# Altium PCB SG1.PcbDoc (part 1 of 3) (continued)
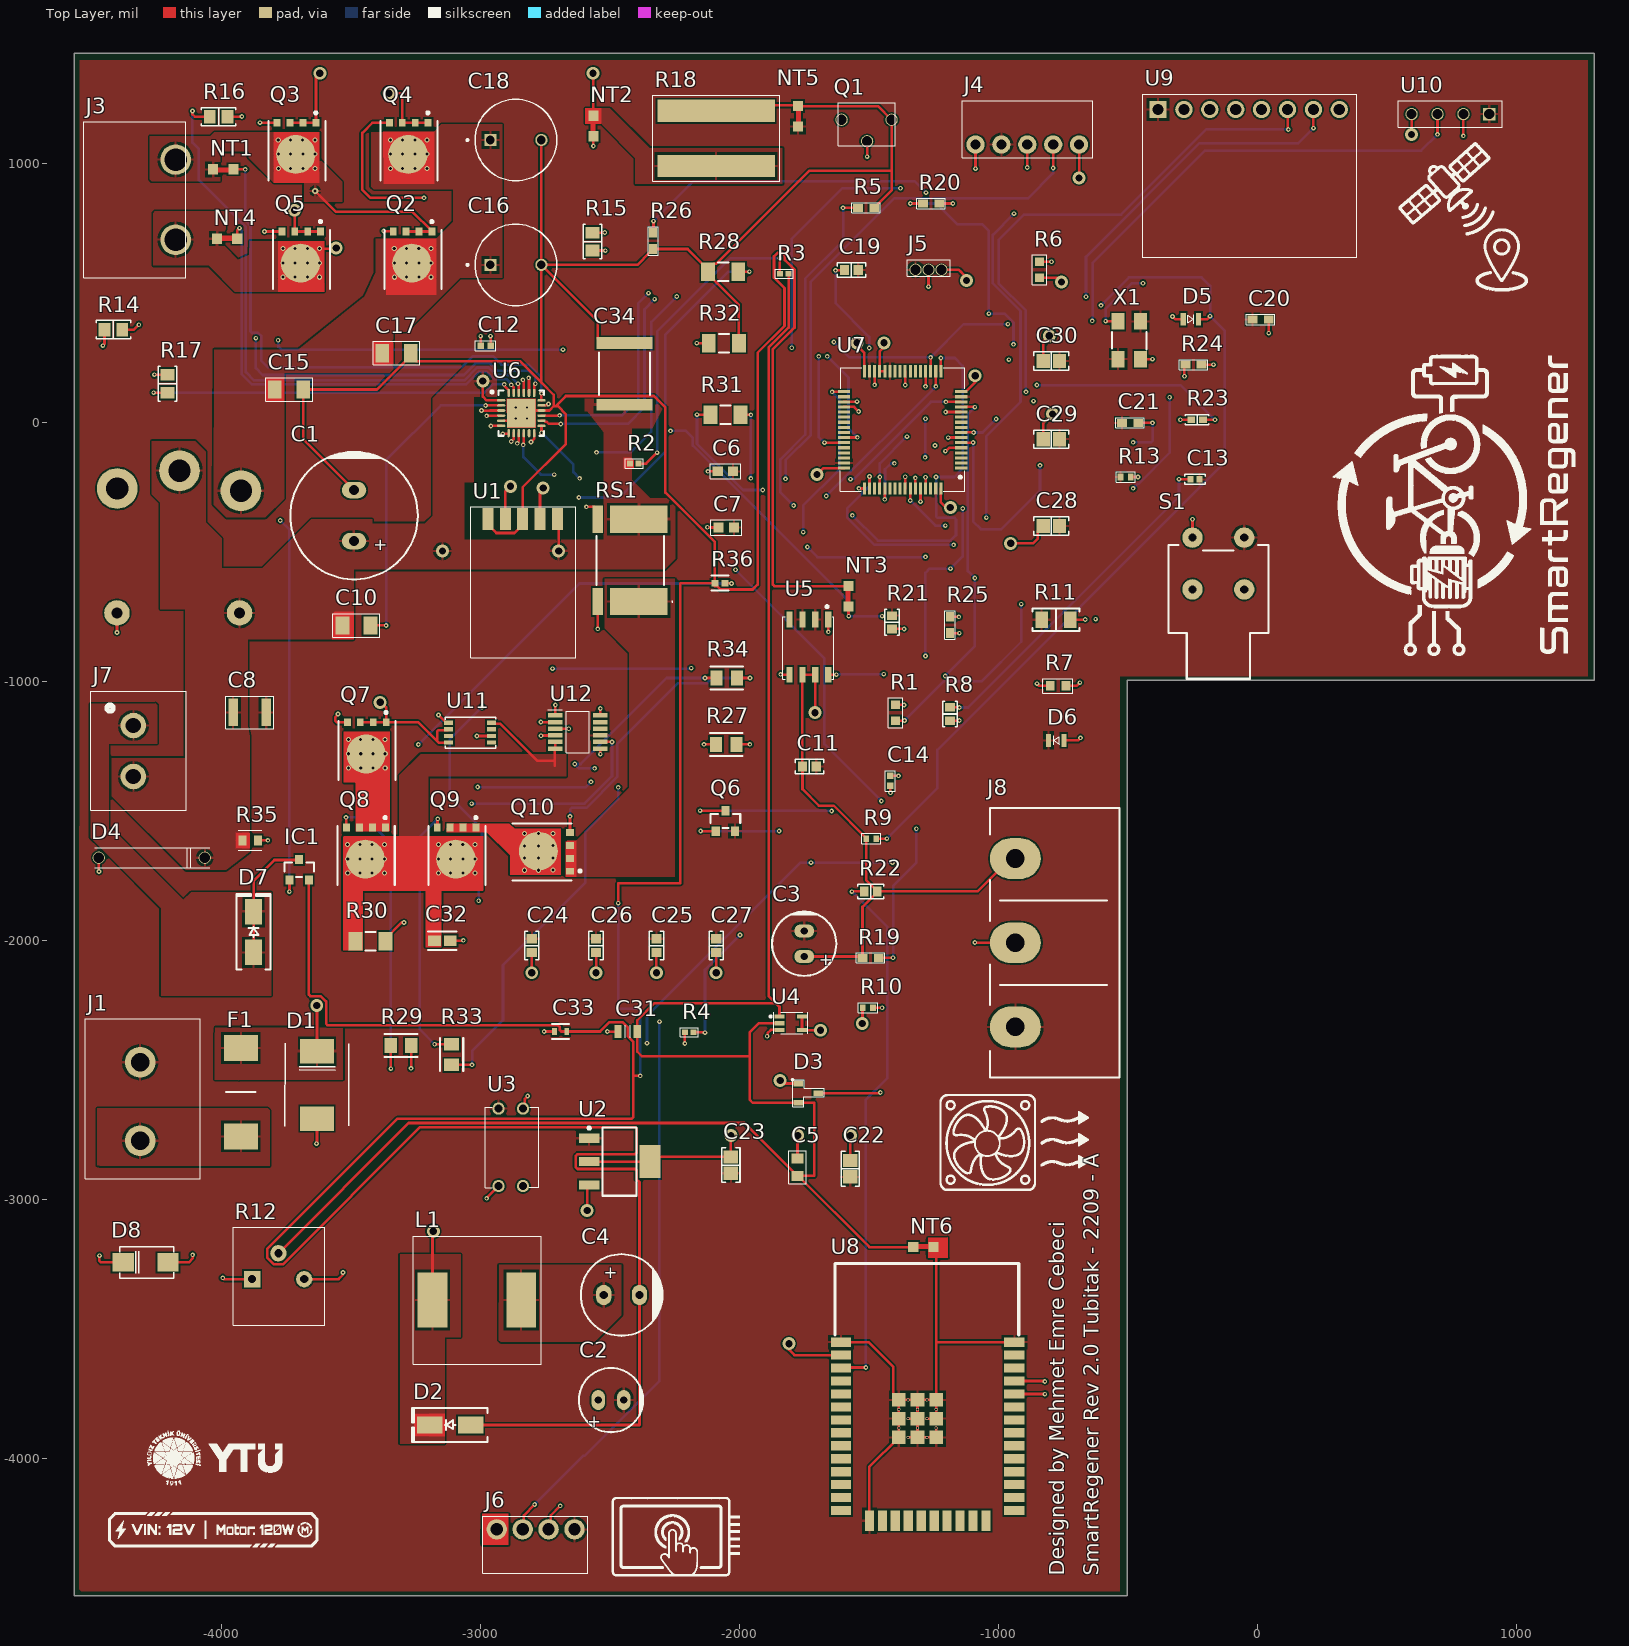
[diagram p0: Top Layer view]
## Part data (continued)
C10: library part GRM319R71C105KAA3D, "1206 1 uF 16 V ±10 % Tol. X7R Surface Mount Multilayer Ceramic Capacitor", Case Code (Metric)=3216, Case Code (Imperial)=1206, Dielectric=X7R, Dielectric Material=Ceramic, Manufacturer=Murata, Manufacturer Lifecycle Status=NRND, Max Operating Temperature=125°C, Min Operating Temperature=-55°C, Tolerance=10%, Voltage=16V, Case/Package=1206, Category="Ceramic Capacitors", China RoHS=Compliant, ComponentLink1Description=https://datasheet.octopart.com:443/GRM319R71C105KAA3D-Murata-datasheet-11966710.pdf?src-supplier=_legacy+Avnet, ComponentLink1URL=https://datasheet.octopart.com:443/GRM319R71C105KAA3D-Murata-datasheet-11966710.pdf?src-supplier=_legacy+Avnet, ComponentLink2Description=https://datasheet.octopart.com:443/GRM319R71C105KAA3D-Murata-datasheet-165579666.pdf?src-supplier=TME, ComponentLink2URL=https://datasheet.octopart.com:443/GRM319R71C105KAA3D-Murata-datasheet-165579666.pdf?src-supplier=TME, ComponentLink3Description=https://datasheet.octopart.com:443/GRM319R71C105KAA3D-Murata-datasheet-59876780.pdf?src-supplier=TME, ComponentLink3URL=https://datasheet.octopart.com:443/GRM319R71C105KAA3D-Murata-datasheet-59876780.pdf?src-supplier=TME, ComponentLink4Description=https://datasheet.octopart.com:443/GRM319R71C105KAA3D-Murata-datasheet-140708078.pdf?src-supplier=Ciiva, ComponentLink4URL=https://datasheet.octopart.com:443/GRM319R71C105KAA3D-Murata-datasheet-140708078.pdf?src-supplier=Ciiva, ComponentLink5Description=https://datasheet.octopart.com:443/GRM319R71C105KAA3D-Murata-datasheet-140706587.pdf?src-supplier=Ciiva, ComponentLink5URL=https://datasheet.octopart.com:443/GRM319R71C105KAA3D-Murata-datasheet-140706587.pdf?src-supplier=Ciiva, ComponentLink6Description=https://datasheet.octopart.com:443/GRM319R71C105KAA3D-Murata-datasheet-138745384.pdf?src-supplier=Ciiva, ComponentLink6URL=https://datasheet.octopart.com:443/GRM319R71C105KAA3D-Murata-datasheet-138745384.pdf?src-supplier=Ciiva, ComponentLink7Description=https://datasheet.octopart.com:443/GRM319R71C105KAA3D-Murata-datasheet-22122223.pdf?src-supplier=Future+Electronics, ComponentLink7URL=https://datasheet.octopart.com:443/GRM319R71C105KAA3D-Murata-datasheet-22122223.pdf?src-supplier=Future+Electronics, ComponentLink8Description=https://datasheet.octopart.com:443/GRM319R71C105KAA3D-Murata-datasheet-14402607.pdf?src-supplier=Future+Electronics, ComponentLink8URL=https://datasheet.octopart.com:443/GRM319R71C105KAA3D-Murata-datasheet-14402607.pdf?src-supplier=Future+Electronics, ComponentLink9Description=https://datasheet.octopart.com:443/GRM319R71C105KAA3D-Murata-datasheet-44109134.pdf?src-supplier=Future+Electronics, ComponentLink9URL=https://datasheet.octopart.com:443/GRM319R71C105KAA3D-Murata-datasheet-44109134.pdf?src-supplier=Future+Electronics, ComponentLink10Description=https://datasheet.octopart.com/GRM319R71C105KAA3D-Murata-datasheet-12515295.pdf, ComponentLink10URL=https://datasheet.octopart.com/GRM319R71C105KAA3D-Murata-datasheet-12515295.pdf, ComponentLink11Description=https://datasheet.octopart.com/GRM319R71C105KAA3D-Murata-datasheet-12510076.pdf, ComponentLink11URL=https://datasheet.octopart.com/GRM319R71C105KAA3D-Murata-datasheet-12510076.pdf, ComponentLink12Description=https://datasheet.octopart.com/GRM319R71C105KAA3D-Murata-datasheet-11978611.pdf, ComponentLink12URL=https://datasheet.octopart.com/GRM319R71C105KAA3D-Murata-datasheet-11978611.pdf, ComponentLink13Description=https://datasheet.octopart.com/GRM319R71C105KAA3D-Murata-datasheet-10025737.pdf, ComponentLink13URL=https://datasheet.octopart.com/GRM319R71C105KAA3D-Murata-datasheet-10025737.pdf, ComponentLink14Description=https://datasheet.octopart.com/GRM319R71C105KAA3D-Murata-datasheet-8819587.pdf, ComponentLink14URL=https://datasheet.octopart.com/GRM319R71C105KAA3D-Murata-datasheet-8819587.pdf, ComponentLink15Description=https://datasheet.octopart.com/GRM319R71C105KAA3D-Murata-datasheet-12526482.pdf, ComponentLink15URL=https://datasheet.octopart.com/GRM319R71C105KAA3D-Murata-datasheet-12526482.pdf, ComponentLink16Description=http://sigma.octopart.com:80/reach_statement/Murata-company-16.pdf?src-supplier=Compliance+Statements, ComponentLink16URL=http://sigma.octopart.com:80/reach_statement/Murata-company-16.pdf?src-supplier=Compliance+Statements, Depth=1.6mm, Height=850µm, Lead Free="Lead Free", Length=3.2mm, Lifecycle Status=NRND, Manufacturer Part Number=GRM319R71C105KAA3D, Material=Ceramic, Mounting Technology="Surface Mount", Number of Terminals=2, Pricing="2247=0,0445 (USD)", Radiation Hardening=No, REACH SVHC=Yes, RoHS=Compliant, Schedule B="8532240020, 8532240020|8532240020|8532240020|8532240020|8532240020", Stock=2396, Supplier="Arrow Electronics", Supplier Part Number=GRM319R71C105KAA3D, Termination=SMD/SMT, Thickness=850µm, Voltage Rating=16V, Voltage Rating (DC)=16V, Width=1.6mm
C11: library part AC0603KPX7R7BB104, "CAP CER 0.1UF 16V X7R 0603", Device Package="0603 (1608 Metric)", Manufacturer=Yageo, Operating Temperature="-55°C ~ 125°C", Ratings=AEC-Q200, Supplier Part Number 1=13-AC0603KPX7R7BB104CT-ND, Temperature Coefficient=X7R, Tolerance=±10%, Voltage - Rated=16V, Applications=Automotive, Capacitance="0.1 µF", ComponentLink1Description=Datasheet, ComponentLink1URL=https://www.yageo.com/upload/media/product/productsearch/datasheet/mlcc/UPY-AC_NP0X7RX7S_6.3V-to-2KV_19.pdf, ComponentLink2Description="DigiKey Link", ComponentLink2URL=https://www.digikey.com/en/products/detail/yageo/AC0603KPX7R7BB104/16797573, lastupdated="9.02.2024 20:08:40", Lifecycle Status=Active, Minimum Order=1, Mounting Type="Surface Mount, MLCC", Package / Case="0603 (1608 Metric)", Packaging=TapeAndReel, Part Number=AC0603KPX7R7BB104, PartId=56471, price=0.02, Series=AC, Size / Dimension="0.063\" L x 0.031\" W (1.60mm x 0.80mm)", Supplier 1=DigiKey, Thickness (Max)="0.035\" (0.90mm)"
C12 C14: library part GRM155R71C102KA01D, "0402 1 nF 16 V ±10% Tolerance X7R SMT Multilayer Ceramic Capacitor", Case Code (Metric)=1005, Case Code (Imperial)=0402, Dielectric=X7R, Dielectric Material=Ceramic, Manufacturer=Murata, Manufacturer Lifecycle Status=NRND, Max Operating Temperature=125°C, Min Operating Temperature=-55°C, Supplier Part Number=4326782, Tolerance=10%, Voltage=16V, Case/Package=0402, Category="Ceramic Capacitors", ComponentLink1Description=https://datasheet.octopart.com:443/GRM155R71C102KA01D-Murata-datasheet-66077076.pdf?src-supplier=element14+APAC, ComponentLink1URL=https://datasheet.octopart.com:443/GRM155R71C102KA01D-Murata-datasheet-66077076.pdf?src-supplier=element14+APAC, ComponentLink2Description=https://datasheet.octopart.com:443/GRM155R71C102KA01D-Murata-datasheet-14400556.pdf?src-supplier=Future+Electronics, ComponentLink2URL=https://datasheet.octopart.com:443/GRM155R71C102KA01D-Murata-datasheet-14400556.pdf?src-supplier=Future+Electronics, ComponentLink3Description=https://datasheet.octopart.com:443/GRM155R71C102KA01D-Murata-datasheet-22122223.pdf?src-supplier=Future+Electronics, ComponentLink3URL=https://datasheet.octopart.com:443/GRM155R71C102KA01D-Murata-datasheet-22122223.pdf?src-supplier=Future+Electronics, ComponentLink4Description=https://datasheet.octopart.com:443/GRM155R71C102KA01D-Murata-datasheet-44106280.pdf?src-supplier=Future+Electronics, ComponentLink4URL=https://datasheet.octopart.com:443/GRM155R71C102KA01D-Murata-datasheet-44106280.pdf?src-supplier=Future+Electronics, ComponentLink5Description=https://datasheet.octopart.com:443/GRM155R71C102KA01D-Murata-datasheet-165579666.pdf?src-supplier=TME, ComponentLink5URL=https://datasheet.octopart.com:443/GRM155R71C102KA01D-Murata-datasheet-165579666.pdf?src-supplier=TME, ComponentLink6Description=https://datasheet.octopart.com:443/GRM155R71C102KA01D-Murata-datasheet-141266224.pdf?src-supplier=Ciiva, ComponentLink6URL=https://datasheet.octopart.com:443/GRM155R71C102KA01D-Murata-datasheet-141266224.pdf?src-supplier=Ciiva, ComponentLink7Description=https://datasheet.octopart.com:443/GRM155R71C102KA01D-Murata-datasheet-140690967.pdf?src-supplier=Ciiva, ComponentLink7URL=https://datasheet.octopart.com:443/GRM155R71C102KA01D-Murata-datasheet-140690967.pdf?src-supplier=Ciiva, ComponentLink8Description=https://datasheet.octopart.com:443/GRM155R71C102KA01D-Murata-datasheet-138740885.pdf?src-supplier=Ciiva, ComponentLink8URL=https://datasheet.octopart.com:443/GRM155R71C102KA01D-Murata-datasheet-138740885.pdf?src-supplier=Ciiva, ComponentLink9Description=https://datasheet.octopart.com/GRM155R71C102KA01D-Murata-datasheet-12515295.pdf, ComponentLink9URL=https://datasheet.octopart.com/GRM155R71C102KA01D-Murata-datasheet-12515295.pdf, ComponentLink10Description=https://datasheet.octopart.com/GRM155R71C102KA01D-Murata-datasheet-12510076.pdf, ComponentLink10URL=https://datasheet.octopart.com/GRM155R71C102KA01D-Murata-datasheet-12510076.pdf, ComponentLink11Description=https://datasheet.octopart.com/GRM155R71C102KA01D-Murata-datasheet-11978611.pdf, ComponentLink11URL=https://datasheet.octopart.com/GRM155R71C102KA01D-Murata-datasheet-11978611.pdf, ComponentLink12Description=https://datasheet.octopart.com/GRM155R71C102KA01D-Murata-datasheet-10025737.pdf, ComponentLink12URL=https://datasheet.octopart.com/GRM155R71C102KA01D-Murata-datasheet-10025737.pdf, ComponentLink13Description=https://datasheet.octopart.com/GRM155R71C102KA01D-Murata-datasheet-8819587.pdf, ComponentLink13URL=https://datasheet.octopart.com/GRM155R71C102KA01D-Murata-datasheet-8819587.pdf, ComponentLink14Description=http://sigma.octopart.com:80/reach_statement/Murata-company-16.pdf?src-supplier=Compliance+Statements, ComponentLink14URL=http://sigma.octopart.com:80/reach_statement/Murata-company-16.pdf?src-supplier=Compliance+Statements, Depth=500µm, Height=500µm, Lead Free="Lead Free", Length=1mm, Lifecycle Status=NRND, Manufacturer Part Number=GRM155R71C102KA01D, Material=Ceramic, Mounting Technology="Surface Mount", Number of Terminals=2, Packaging="Cut Tape", Pins=2, Pricing="10=0,0163, 100=0,0134, 500=0,0086, 2500=0,0057, 5000=0,0056 (EUR)", Radiation Hardening=No, REACH SVHC=Yes, RoHS=Compliant, Schedule B="8532240020, 8532240020|8532240020|8532240020|8532240020|8532240020", Stock=42276, Supplier=Farnell, Termination=SMD/SMT, Thickness=500µm, Voltage Rating=16V, Voltage Rating (DC)=16V, Width=500µm
C13: library part C0402C103K1RACTU, "CAP CER 0402 10NF 100VDC X7R", Device Package="0402 (1005 Metric)", Manufacturer=KEMET, Operating Temperature="-55°C ~ 125°C", Supplier Part Number 1=399-C0402C103K1RACTUCT-ND, Temperature Coefficient=X7R, Tolerance=±10%, Voltage - Rated=100V, Applications="Bypass, Decoupling", Capacitance="10000 pF", ComponentLink1Description=Datasheet, ComponentLink1URL=https://connect.kemet.com:7667/gateway/IntelliData-ComponentDocumentation/1.0/download/datasheet/C0402C103K1RACTU, ComponentLink2Description="DigiKey Link", ComponentLink2URL=https://www.digikey.com/en/products/detail/kemet/C0402C103K1RACTU/19200729, lastupdated="9.02.2024 20:03:26", Lifecycle Status=Active, Minimum Order=1, Mounting Type="Surface Mount, MLCC", Package / Case="0402 (1005 Metric)", Packaging=TapeAndReel, Part Number=C0402C103K1RACTU, PartId=55599, price=0.02, Series="SMD Comm X7R", Size / Dimension="0.039\" L x 0.020\" W (1.00mm x 0.50mm)", Supplier 1=DigiKey, Thickness (Max)="0.022\" (0.55mm)"
C15 C17: library part GRM319R71H104KA01D, "1206 0.1 uF 50 V ±10 % Tolerance X7R Surface Mount Multilayer Ceramic Capacitor", Case Code (Metric)=3216, Case Code (Imperial)=1206, Dielectric=X7R, Dielectric Material=Ceramic, Manufacturer=Murata, Manufacturer Lifecycle Status="TO BE DISCONTINUED", Max Operating Temperature=125°C, Min Operating Temperature=-55°C, Supplier Part Number=4740640, Tolerance=10%, Voltage=50V, Case/Package=1206, Category="Ceramic Capacitors", ComponentLink1Description=https://datasheet.octopart.com/GRM319R71H104KA01D-Murata-datasheet-12515295.pdf, ComponentLink1URL=https://datasheet.octopart.com/GRM319R71H104KA01D-Murata-datasheet-12515295.pdf, ComponentLink2Description=https://datasheet.octopart.com/GRM319R71H104KA01D-Murata-datasheet-12510076.pdf, ComponentLink2URL=https://datasheet.octopart.com/GRM319R71H104KA01D-Murata-datasheet-12510076.pdf, ComponentLink3Description=https://datasheet.octopart.com/GRM319R71H104KA01D-Murata-datasheet-11978611.pdf, ComponentLink3URL=https://datasheet.octopart.com/GRM319R71H104KA01D-Murata-datasheet-11978611.pdf, ComponentLink4Description=https://datasheet.octopart.com/GRM319R71H104KA01D-Murata-datasheet-10025737.pdf, ComponentLink4URL=https://datasheet.octopart.com/GRM319R71H104KA01D-Murata-datasheet-10025737.pdf, ComponentLink5Description=https://datasheet.octopart.com/GRM319R71H104KA01D-Murata-datasheet-8819587.pdf, ComponentLink5URL=https://datasheet.octopart.com/GRM319R71H104KA01D-Murata-datasheet-8819587.pdf, ComponentLink6Description=https://datasheet.octopart.com/GRM319R71H104KA01D-Murata-datasheet-14402634.pdf, ComponentLink6URL=https://datasheet.octopart.com/GRM319R71H104KA01D-Murata-datasheet-14402634.pdf, ComponentLink7Description=https://datasheet.octopart.com:443/GRM319R71H104KA01D-Murata-datasheet-8817987.pdf?src-supplier=element14+APAC, ComponentLink7URL=https://datasheet.octopart.com:443/GRM319R71H104KA01D-Murata-datasheet-8817987.pdf?src-supplier=element14+APAC, ComponentLink8Description=https://datasheet.octopart.com:443/GRM319R71H104KA01D-Murata-datasheet-62317312.pdf?src-supplier=element14+APAC, ComponentLink8URL=https://datasheet.octopart.com:443/GRM319R71H104KA01D-Murata-datasheet-62317312.pdf?src-supplier=element14+APAC, ComponentLink9Description=https://datasheet.octopart.com:443/GRM319R71H104KA01D-Murata-datasheet-165579666.pdf?src-supplier=TME, ComponentLink9URL=https://datasheet.octopart.com:443/GRM319R71H104KA01D-Murata-datasheet-165579666.pdf?src-supplier=TME, ComponentLink10Description=https://datasheet.octopart.com:443/GRM319R71H104KA01D-Murata-datasheet-59876780.pdf?src-supplier=TME, ComponentLink10URL=https://datasheet.octopart.com:443/GRM319R71H104KA01D-Murata-datasheet-59876780.pdf?src-supplier=TME, ComponentLink11Description=https://datasheet.octopart.com:443/GRM319R71H104KA01D-Murata-datasheet-140708136.pdf?src-supplier=Ciiva, ComponentLink11URL=https://datasheet.octopart.com:443/GRM319R71H104KA01D-Murata-datasheet-140708136.pdf?src-supplier=Ciiva, ComponentLink12Description=https://datasheet.octopart.com:443/GRM319R71H104KA01D-Murata-datasheet-140706587.pdf?src-supplier=Ciiva, ComponentLink12URL=https://datasheet.octopart.com:443/GRM319R71H104KA01D-Murata-datasheet-140706587.pdf?src-supplier=Ciiva, ComponentLink13Description=https://datasheet.octopart.com:443/GRM319R71H104KA01D-Murata-datasheet-138745441.pdf?src-supplier=Ciiva, ComponentLink13URL=https://datasheet.octopart.com:443/GRM319R71H104KA01D-Murata-datasheet-138745441.pdf?src-supplier=Ciiva, ComponentLink14Description=https://datasheet.octopart.com:443/GRM319R71H104KA01D-Murata-datasheet-22122223.pdf?src-supplier=Future+Electronics, ComponentLink14URL=https://datasheet.octopart.com:443/GRM319R71H104KA01D-Murata-datasheet-22122223.pdf?src-supplier=Future+Electronics, ComponentLink15Description=https://datasheet.octopart.com:443/GRM319R71H104KA01D-Murata-datasheet-12510170.pdf?src-supplier=Future+Electronics, ComponentLink15URL=https://datasheet.octopart.com:443/GRM319R71H104KA01D-Murata-datasheet-12510170.pdf?src-supplier=Future+Electronics, ComponentLink16Description=https://datasheet.octopart.com:443/GRM319R71H104KA01D-Murata-datasheet-8517407.pdf?src-supplier=Future+Electronics, ComponentLink16URL=https://datasheet.octopart.com:443/GRM319R71H104KA01D-Murata-datasheet-8517407.pdf?src-supplier=Future+Electronics, ComponentLink17Description=https://datasheet.octopart.com:443/GRM319R71H104KA01D-Murata-datasheet-8387045.pdf?src-supplier=Future+Electronics, ComponentLink17URL=https://datasheet.octopart.com:443/GRM319R71H104KA01D-Murata-datasheet-8387045.pdf?src-supplier=Future+Electronics, ComponentLink18Description=https://datasheet.octopart.com:443/GRM319R71H104KA01D-Murata-datasheet-8324201.pdf?src-supplier=Future+Electronics, ComponentLink18URL=https://datasheet.octopart.com:443/GRM319R71H104KA01D-Murata-datasheet-8324201.pdf?src-supplier=Future+Electronics, ComponentLink19Description=https://datasheet.octopart.com:443/GRM319R71H104KA01D-Murata-datasheet-7628724.pdf?src-supplier=Future+Electronics, ComponentLink19URL=https://datasheet.octopart.com:443/GRM319R71H104KA01D-Murata-datasheet-7628724.pdf?src-supplier=Future+Electronics, ComponentLink20Description=https://datasheet.octopart.com:443/GRM319R71H104KA01D-Murata-datasheet-552801.pdf?src-supplier=Future+Electronics, ComponentLink20URL=https://datasheet.octopart.com:443/GRM319R71H104KA01D-Murata-datasheet-552801.pdf?src-supplier=Future+Electronics, ComponentLink21Description=https://datasheet.octopart.com:443/GRM319R71H104KA01D-Murata-datasheet-44782018.pdf?src-supplier=Future+Electronics, ComponentLink21URL=https://datasheet.octopart.com:443/GRM319R71H104KA01D-Murata-datasheet-44782018.pdf?src-supplier=Future+Electronics, ComponentLink22Description=https://datasheet.octopart.com:443/GRM319R71H104KA01D-Murata-datasheet-7618416.pdf?src-supplier=Jameco, ComponentLink22URL=https://datasheet.octopart.com:443/GRM319R71H104KA01D-Murata-datasheet-7618416.pdf?src-supplier=Jameco, ComponentLink23Description=https://datasheet.octopart.com:443/GRM319R71H104KA01D-Murata-datasheet-148214.pdf?src-supplier=Garrett, ComponentLink23URL=https://datasheet.octopart.com:443/GRM319R71H104KA01D-Murata-datasheet-148214.pdf?src-supplier=Garrett, ComponentLink24Description=https://datasheet.octopart.com:443/GRM319R71H104KA01D-Murata-datasheet-102.pdf?src-supplier=DigiKey, ComponentLink24URL=https://datasheet.octopart.com:443/GRM319R71H104KA01D-Murata-datasheet-102.pdf?src-supplier=DigiKey, ComponentLink25Description=https://datasheet.octopart.com:443/GRM319R71H104KA01D-Murata-datasheet-112596.pdf?src-supplier=Sierra+IC, ComponentLink25URL=https://datasheet.octopart.com:443/GRM319R71H104KA01D-Murata-datasheet-112596.pdf?src-supplier=Sierra+IC, ComponentLink26Description=http://sigma.octopart.com:80/reach_statement/Murata-company-16.pdf?src-supplier=Compliance+Statements, ComponentLink26URL=http://sigma.octopart.com:80/reach_statement/Murata-company-16.pdf?src-supplier=Compliance+Statements, Depth=1.6mm, Height=850µm, Lead Free="Lead Free", Lead Pitch=4mm, Length=3.2mm, Lifecycle Status=EOL, Manufacturer Part Number=GRM319R71H104KA01D, Material=Ceramic, Mounting Technology="Surface Mount", Number of Terminals=2, Packaging="Tape and Reel", Pins=2, Pricing="10=0,0587, 250=0,0579, 1000=0,0571, 5000=0,0471, 10000=0,0436, 20000=0,0346 (EUR)", REACH SVHC=Yes, RoHS=Compliant, Schedule B=8532240020, Stock=20000, Supplier=Farnell, Termination=SMD/SMT, Thickness=850µm, Voltage Rating=50V, Voltage Rating (DC)=50V, Width=1.6mm
C16 C18: library part EEU-FR1V471LB, "Aluminum Electrolytic Capacitor, Polarized, Aluminum (wet), 25V, 20% +Tol, 20% -Tol, 560uF", Case/Package=Radial, ESR (Equivalent Series Resistance)=30mΩ, Leakage Current=164.5µA, Manufacturer=Panasonic, Manufacturer Lifecycle Status=ACTIVE, Max Operating Temperature=105°C, Min Operating Temperature=-40°C, Ripple Current=1.56A, Supplier Part Number=3028793, Tolerance=20%, Voltage Rating=35V, Category="Aluminum Electrolytic Capacitors", ComponentLink1Description=https://datasheet.octopart.com:443/EEU-FR1V471LB-Panasonic-datasheet-62330550.pdf?src-supplier=Panasonic, ComponentLink1URL=https://datasheet.octopart.com:443/EEU-FR1V471LB-Panasonic-datasheet-62330550.pdf?src-supplier=Panasonic, ComponentLink2Description=https://datasheet.octopart.com:443/EEU-FR1V471LB-Panasonic-datasheet-154766147.pdf?src-supplier=JRH+Electronics, ComponentLink2URL=https://datasheet.octopart.com:443/EEU-FR1V471LB-Panasonic-datasheet-154766147.pdf?src-supplier=JRH+Electronics, ComponentLink3Description=https://datasheet.octopart.com:443/EEU-FR1V471LB-Panasonic-datasheet-38939130.pdf?src-supplier=RS+(Formerly+Allied+Electronics), ComponentLink3URL=https://datasheet.octopart.com:443/EEU-FR1V471LB-Panasonic-datasheet-38939130.pdf?src-supplier=RS+(Formerly+Allied+Electronics), ComponentLink4Description=https://datasheet.octopart.com:443/EEU-FR1V471LB-Panasonic-datasheet-27908667.pdf?src-supplier=RS+(Formerly+Allied+Electronics), ComponentLink4URL=https://datasheet.octopart.com:443/EEU-FR1V471LB-Panasonic-datasheet-27908667.pdf?src-supplier=RS+(Formerly+Allied+Electronics), ComponentLink5Description=https://datasheet.octopart.com:443/EEU-FR1V471LB-Panasonic-datasheet-56871308.pdf?src-supplier=RS+(Formerly+Allied+Electronics), ComponentLink5URL=https://datasheet.octopart.com:443/EEU-FR1V471LB-Panasonic-datasheet-56871308.pdf?src-supplier=RS+(Formerly+Allied+Electronics), ComponentLink6Description=https://datasheet.octopart.com:443/EEU-FR1V471LB-Panasonic-datasheet-13267316.pdf?src-supplier=Newark, ComponentLink6URL=https://datasheet.octopart.com:443/EEU-FR1V471LB-Panasonic-datasheet-13267316.pdf?src-supplier=Newark, ComponentLink7Description=https://datasheet.octopart.com:443/EEU-FR1V471LB-Panasonic-datasheet-16820802.pdf?src-supplier=Newark, ComponentLink7URL=https://datasheet.octopart.com:443/EEU-FR1V471LB-Panasonic-datasheet-16820802.pdf?src-supplier=Newark, ComponentLink8Description=https://datasheet.octopart.com:443/EEUFR1V471LB-Panasonic-datasheet-150469843.pdf?src-supplier=TME, ComponentLink8URL=https://datasheet.octopart.com:443/EEUFR1V471LB-Panasonic-datasheet-150469843.pdf?src-supplier=TME, ComponentLink9Description=https://datasheet.octopart.com:443/EEU-FR1V471LB-Panasonic-datasheet-32589663.pdf?src-supplier=Electro+Sonic, ComponentLink9URL=https://datasheet.octopart.com:443/EEU-FR1V471LB-Panasonic-datasheet-32589663.pdf?src-supplier=Electro+Sonic, Contact Plating=Tin, Diameter=8mm, Features="General Purpose", Height=22mm, Height - Seated (Max)=21.9964mm, Lead Diameter=600µm, Lead Free="Lead Free", Lead Pitch=5mm, Length=20mm, Life (Hours)=9000hours, Lifecycle Status=Production, Manufacturer Part Number=EEU-FR1V471LB, Mounting Technology="PCB, Through Hole", Number of Terminals=2, Part Series=FR-A, Polarity=Polar, Pricing="1000=0,131, 2000=0,13, 4000=0,128, 5000=0,127, 15000=0,124 (USD)", Radiation Hardening=No, REACH SVHC=Yes, RoHS=Compliant, Schedule B="8532220020, 8532220020|8532220020|8532220020|8532220020|8532220020", Stock=24000, Supplier="Future Electronics", Terminal Pitch=5mm, Termination=Radial, Voltage Rating (DC)=35V, Impedance=30mΩ
C19 C24 C25 C26 C27: library part CS0603KRX7R7BB104, "CAP CER 0.1UF 16V X7R 0603", Device Package="0603 (1608 Metric)", Manufacturer=Yageo, Operating Temperature="-55°C ~ 125°C", Supplier Part Number 1=311-3560-1-ND, Temperature Coefficient=X7R, Tolerance=±10%, Voltage - Rated=16V, Applications="Boardflex Sensitive", Capacitance="0.1 µF", ComponentLink1Description=Datasheet, ComponentLink1URL=http://www.yageo.com/NewPortal/yageodocoutput?fileName=/pdf/MLCC/UPY-ST_NPOX7R_16V-to-3KV_5.pdf, ComponentLink2Description="DigiKey Link", ComponentLink2URL=https://www.digikey.com/en/products/detail/yageo/CS0603KRX7R7BB104/6097897, Features="Soft Termination", lastupdated="9.02.2024 20:10:30", Lifecycle Status=Active, Minimum Order=1, Mounting Type="Surface Mount, MLCC", Package / Case="0603 (1608 Metric)", Packaging=TapeAndReel, Part Number=CS0603KRX7R7BB104, Part Status=Active, PartId=2286, price=0.01, Series=CS, Size / Dimension="0.063\" L x 0.031\" W (1.60mm x 0.80mm)", Supplier 1=DigiKey, Thickness (Max)="0.037\" (0.95mm)"
C20 C21: library part "CAP CER 20pF 0603", "CAP CER 20pF %5 0603 SMD", Capacitance=20pF, Case Code (Metric)=1608, Case Code (Imperial)=0603, Dielectric=C0G, Manufacturer=Samsung, Max Operating Temperature=125°C, Min Operating Temperature=-55°C, Package Quantity=1, Supplier Part Number 1=1276-1187-1-ND, Temperature Coefficient=300ppm/°C, Tolerance=5%, Voltage=50V, Case/Package=0603, Category="Ceramic Capacitors", ComponentLink1Description=https://datasheet.ciiva.com/26877/getdatasheetpartid-640634-26877974.pdf?src-supplier=Verical, ComponentLink1URL=https://datasheet.ciiva.com/26877/getdatasheetpartid-640634-26877974.pdf?src-supplier=Verical, ComponentLink2Description=https://datasheet.ciiva.com/26310/mlcc-catalogdownload2013-eng-26310315.pdf?src-supplier=Distrelec, ComponentLink2URL=https://datasheet.ciiva.com/26310/mlcc-catalogdownload2013-eng-26310315.pdf?src-supplier=Distrelec, Construction=Flat, Depth=0.8mm, Designed by=BERK, Height=0.8mm, Length=1.6mm, Manufacturer Part Number=CL10C200JB8NNNC, Mount="Surface Mount", Packaging="Tape and Reel", Pricing 1="1=0,10000, 10=0,04700, 50=0,02560, 100=0,02090, 500=0,01490, 1000=0,01171 (USD)", Radiation Hardening=No, RoHS=Yes, RoHS Compliant=Yes, Series=CL, Stock 1=765558, Supplier 1=Digi-Key, Thickness=0.035inch, Voltage Rating=50V, Width=0.031inch
C22 C28: library part 0805YD475MAT2A, "CAP CER 4.7UF 16V X5R 0805", Device Package="0805 (2012 Metric)", Manufacturer="AVX Corporation", Operating Temperature="-55°C ~ 85°C", Supplier Part Number 1=478-6223-1-ND, Temperature Coefficient=X5R, Tolerance=±20%, Voltage - Rated=16V, Applications="General Purpose", Capacitance=4.7µF, ComponentLink1Description=Datasheet, ComponentLink1URL=http://datasheets.avx.com/cx5r.pdf, ComponentLink2Description="DigiKey Link", ComponentLink2URL=http://digikey.com/product-detail/en/avx-corporation/0805YD475MAT2A/478-6223-1-ND/2391422, lastupdated="2.09.2020 01:04:29", Lifecycle Status=Active, Minimum Order=1, Mounting Type="Surface Mount, MLCC", Package / Case="0805 (2012 Metric)", Packaging=TapeAndReel, Part Number=0805YD475MAT2A, Part Status=Active, PartId=9663, price=0.19, Series=-, Size / Dimension="0.079\" L x 0.049\" W (2.01mm x 1.25mm)", Supplier 1=DigiKey, Thickness (Max)="0.055\" (1.40mm)"
C23 C29: library part EMK212B7105KGHTR, "CAP CER 1UF 16V X7R 0805", Device Package="0805 (2012 Metric)", Manufacturer="Taiyo Yuden", Operating Temperature="-55°C ~ 125°C", Ratings=AEC-Q200, Supplier Part Number 1=587-6310-1-ND, Temperature Coefficient=X7R, Tolerance=±10%, Voltage - Rated=16V, Applications=Automotive, Capacitance="1 µF", ComponentLink1Description=Datasheet, ComponentLink1URL="https://ds.yuden.co.jp/TYCOMPAS/ut/detail?pn=EMK212B7105KGHTR &u=M", ComponentLink2Description="DigiKey Link", ComponentLink2URL=https://www.digikey.com/en/products/detail/taiyo-yuden/EMK212B7105KGHTR/6563155, lastupdated="9.02.2024 20:16:06", Lifecycle Status=Active, Minimum Order=1, Mounting Type="Surface Mount, MLCC", Package / Case="0805 (2012 Metric)", Packaging=TapeAndReel, Part Number=EMK212B7105KGHTR, Part Status=Active, PartId=3641, price=0.03, Series=M, Size / Dimension="0.079\" L x 0.049\" W (2.00mm x 1.25mm)", Supplier 1=DigiKey, Thickness (Max)="0.053\" (1.35mm)"
C30: library part 0805B104K160CT, "CAP CER 0.1UF 16V X7R 0805", Device Package="0805 (2012 Metric)", Manufacturer="Walsin Technology Corporation", Operating Temperature="-55°C ~ 125°C", Supplier Part Number 1=1292-1565-1-ND, Temperature Coefficient=X7R, Tolerance=±10%, Voltage - Rated=16V, Applications="General Purpose", Capacitance="0.1 µF", ComponentLink1Description=Datasheet, ComponentLink1URL=http://www.passivecomponent.com/wp-content/uploads/2018/10/MLCC.pdf, ComponentLink2Description="DigiKey Link", ComponentLink2URL=https://www.digikey.com/en/products/detail/walsin-technology-corporation/0805B104K160CT/9355062, lastupdated="9.02.2024 20:16:02", Lifecycle Status=Active, Minimum Order=1, Mounting Type="Surface Mount, MLCC", Package / Case="0805 (2012 Metric)", Packaging=TapeAndReel, Part Number=0805B104K160CT, Part Status=Active, PartId=4882, price=0.01, Series=-, Size / Dimension="0.079\" L x 0.049\" W (2.00mm x 1.25mm)", Supplier 1=DigiKey, Thickness (Max)="0.035\" (0.90mm)"
C31: library part "CAP CER 100nF 0805", "CAP CER 100nF %10 0805", Capacitance=100nF, Case Code (Metric)=2012, Case Code (Imperial)=0805, Dielectric=X7R, Manufacturer=Samsung, Max Operating Temperature=125°C, Min Operating Temperature=-55°C, Supplier Part Number 1=1276-1003-1-ND, Tolerance=10%, Voltage=50V, Case/Package=0805, Category="Ceramic Capacitors", ComponentLink1Description=https://datasheet.ciiva.com/25710/cl21b104kbcnnnc-25710182.pdf?src-supplier=Digi-Key, ComponentLink1URL=https://datasheet.ciiva.com/25710/cl21b104kbcnnnc-25710182.pdf?src-supplier=Digi-Key, ComponentLink2Description=https://datasheet.ciiva.com/29199/454152-da-01-en-vs-kondensator-0805-29199814.pdf?src-supplier=Conrad, ComponentLink2URL=https://datasheet.ciiva.com/29199/454152-da-01-en-vs-kondensator-0805-29199814.pdf?src-supplier=Conrad, Construction=Flat, Contact Plating=Tin, Depth=1.25mm, Designed by=BERK, Height=0.85mm, Lead Free="Lead Free", Length=2mm, Manufacturer Part Number=CL21B104KBCNNNC, Material=Ceramic, Mount="Surface Mount", Packaging="Tape and Reel", Pricing 1="1=0,10000, 10=0,04700, 50=0,02560, 100=0,02090, 500=0,01494, 1000=0,01174 (USD)", Radiation Hardening=No, RoHS=Yes, RoHS Compliant=Yes, Series=CL, Stock 1=3371502, Supplier 1=Digi-Key, Thickness=0.037inch, Voltage Rating=50V, Voltage Rating (DC)=50V, Width=0.049inch
C32: "0612/0805/1206 Feedthru Ceramic Capacitors 1206 50V 47000pF", Case/Package=0603, Current Rating=300mA, DC Resistance (DCR)=600mΩ, Dielectric Material=Ceramic, Manufacturer="TAIYO YUDEN", Manufacturer Part Number=MCASU168SB7474KTCA01, Max Operating Temperature=125°C, Min Operating Temperature=-55°C, Ratings=AEC-Q200, Tolerance=50%, Voltage Rating=50V, Insulation Resistance=1GΩ, Category="Ceramic Capacitors", China RoHS=Compliant, ComponentLink1Description=https://datasheet.octopart.com:443/MCASU168SB7474KTCA01-Taiyo-Yuden-datasheet-182118782.pdf?src-supplier=IHS, ComponentLink1URL=https://datasheet.octopart.com:443/MCASU168SB7474KTCA01-Taiyo-Yuden-datasheet-182118782.pdf?src-supplier=IHS, ComponentLink2Description=https://datasheet.octopart.com:443/MCASU168SB7474KTCA01-Taiyo-Yuden-datasheet-176292839.pdf?src-supplier=Future+Electronics, ComponentLink2URL=https://datasheet.octopart.com:443/MCASU168SB7474KTCA01-Taiyo-Yuden-datasheet-176292839.pdf?src-supplier=Future+Electronics, ComponentLink3Description=https://datasheet.octopart.com:443/MCASU168SB7474KTCA01-Taiyo-Yuden-datasheet-182282442.pdf?src-supplier=Future+Electronics, ComponentLink3URL=https://datasheet.octopart.com:443/MCASU168SB7474KTCA01-Taiyo-Yuden-datasheet-182282442.pdf?src-supplier=Future+Electronics, ComponentLink4Description=https://datasheet.octopart.com:443/W3F15C4738AT1F-KYOCERA-AVX-datasheet-159616755.pdf?src-supplier=IHS, ComponentLink4URL=https://datasheet.octopart.com:443/W3F15C4738AT1F-KYOCERA-AVX-datasheet-159616755.pdf?src-supplier=IHS, ComponentLink5Description=https://datasheet.octopart.com:443/W3F15C4738AT1F-AVX-datasheet-159777.pdf?src-supplier=Mouser, ComponentLink5URL=https://datasheet.octopart.com:443/W3F15C4738AT1F-AVX-datasheet-159777.pdf?src-supplier=Mouser, ComponentLink6Description=http://sigma.octopart.com:80/conflict_mineral_statement/AVX-company-34.pdf?src-supplier=Compliance+Statements, ComponentLink6URL=http://sigma.octopart.com:80/conflict_mineral_statement/AVX-company-34.pdf?src-supplier=Compliance+Statements, ComponentLink7Description=http://sigma.octopart.com:80/reach_statement/AVX-company-19.pdf?src-supplier=Compliance+Statements, ComponentLink7URL=http://sigma.octopart.com:80/reach_statement/AVX-company-19.pdf?src-supplier=Compliance+Statements, Export Control Classification Number (ECCN) Code=EAR99, Harmonized Tariff Schedule (HTS) Code=8504.50.80.00, Height=800µm, Length=1.6mm, Lifecycle Status=Production, Mounting Technology="Surface Mount", Number of Circuits=1, Number of Terminals=2, Packaging="Tape and Reel", Pricing="1=0,0439 (USD)", REACH SVHC=Yes, RoHS=Compliant, Stock=471, Supplier="Arrow Electronics", Supplier Part Number=MCASU168SB7474KTCA01, Termination=SMD/SMT, Voltage Rating (DC)=50V, Width=800µm, Introduction Date=2002-04-23